# Altium PCB mitosis.PcbDoc (part 3 of 3)
Units mm, origin at the board's own origin, x right, y up, seen from the top; angles counter-clockwise.
Board outline 134.15 x 115.33 mm, 2 copper layers (Top Layer, Bottom Layer), stack 1.671 mm thick; 32 components, 34 nets, 456 pads, 4 vias.
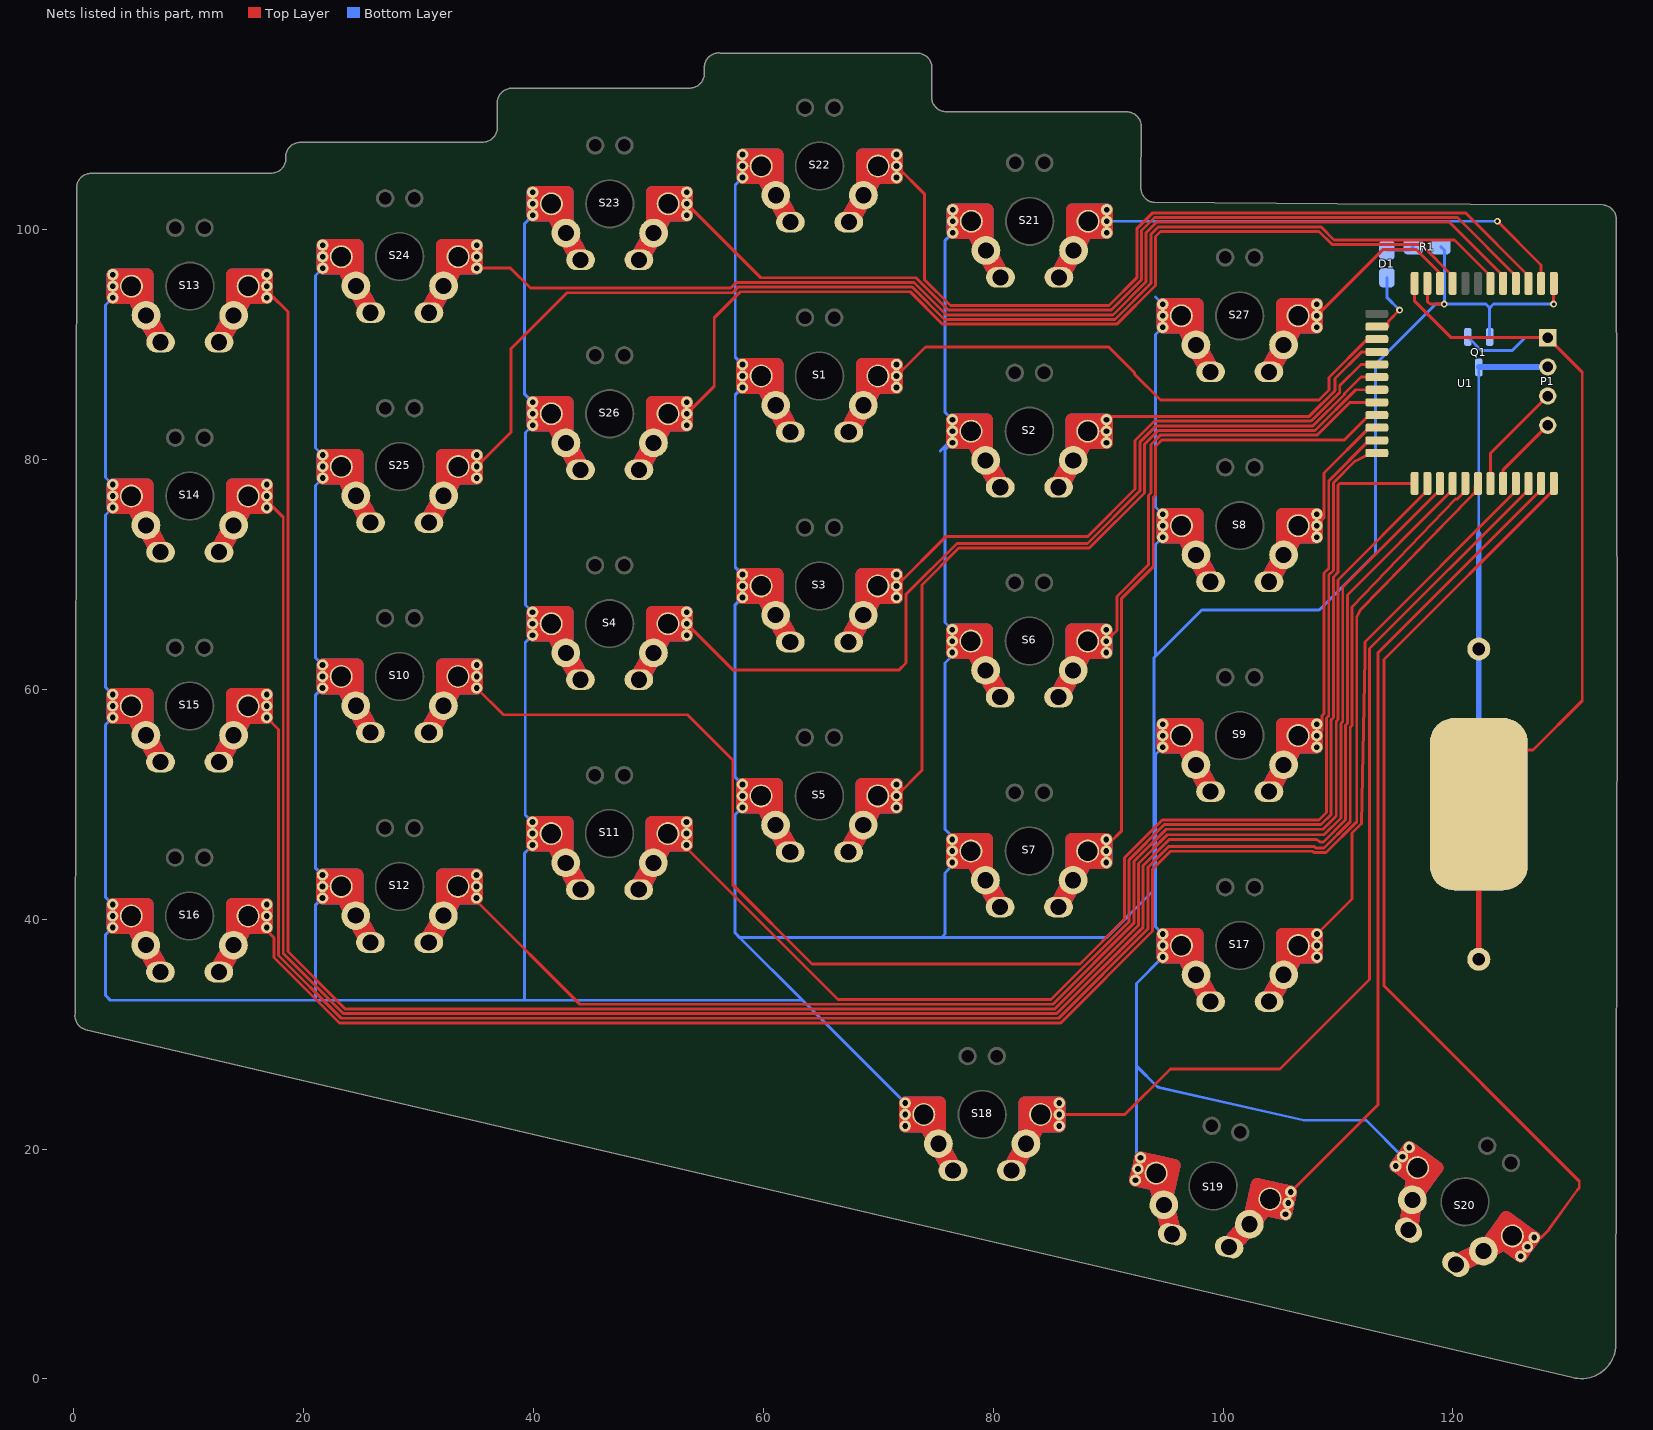
[diagram p3: the nets of this part, all layers, seen from the top]

## Footprints (in the part's own frame and the unit in brackets; to place one, negate y for a bottom-side part, rotate by r counter-clockwise, add the part's x,y. Pads: shape width x height; smd on the part's side, far side on the other; paste and mask are expansions set on the pad) (continued)
cherry#16 [mm]
  round 1.6 hole 1.1: 0(-1.27,5.08) 0(1.27,5.08)
  round 4.3 hole 3.988: 0(0,0)
  round 2.5 hole 1.4: 1(-3.81,-2.54) 2(3.81,-2.54)
  oval 2.5x1.8 hole 1.4: 3(-2.54,-4.877) 4(2.54,-4.877)
  round 2 hole 1.702: 5(-5.08,0) 6(5.08,0)
  round 1 hole 0.5 mask+0.05: 7(-6.7,1) 8(6.7,1) 9(-6.7,0) 10(6.7,0) 11(-6.7,-1) 12(6.7,-1)
  Top Layer lines w1.1: -4.3,-1 -4.58,-1 ; 4.3,-1 4.58,-1 ; -6.7,-1 -5.08,-1 ; -6.7,-1 -5.08,-1 ; -6.7,-1 -5.08,-1 ; -6.7,-1 -5.08,-1 ; -6.7,-1 -5.08,-1 ; -6.7,-1 -5.08,-1 ; -6.7,-1 -5.08,-1 ; -6.7,-1 -5.08,-1 ; -6.7,-1 -6.7,0 ; -6.7,0 -5.08,0 ; -6.7,0 -5.08,0 ; -6.7,0 -5.08,0 ; -6.7,0 -5.08,0 ; -6.7,0 -5.08,0 ; -6.7,0 -5.08,0 ; -6.7,0 -5.08,0 ; -6.7,0 -5.08,0 ; -6.7,0 -6.7,1 ; -6.7,1 -5.08,1 ; -6.7,1 -5.08,1 ; -6.7,1 -5.08,1 ; -6.7,1 -5.08,1 ; -6.7,1 -5.08,1 ; -6.7,1 -5.08,1 ; -6.7,1 -5.08,1 ; -6.7,1 -5.08,1 ; -5.08,-1 -4.58,-1 ; -5.08,-1 -4.58,-1 ; -5.08,-1 -4.58,-1 ; -5.08,-1 -4.58,-1 ; -5.08,-1 -4.58,-1 ; -5.08,-1 -4.58,-1 ; -5.08,-1 -4.58,-1 ; -5.08,-1 -4.58,-1 ; -5.08,1 -3.7,1 ; -5.08,1 -3.7,1 ; -5.08,1 -3.7,1 ; -5.08,1 -3.7,1 ; -5.08,1 -3.7,1 ; -5.08,1 -3.7,1 ; -5.08,1 -3.7,1 ; -5.08,1 -3.7,1 ; -3.7,-1.9 -3.7,0 ; -3.7,-1.9 -3.7,0 ; -3.7,-1.9 -3.7,0 ; -3.7,0 -3.7,1 ; -3.7,0 -3.7,1 ; -3.7,0 -3.7,1 ; -3.7,0 -3.7,0 ; -3.7,0 -3.7,1 ; -3.7,0 -3.7,1 ; -3.7,0 -3.7,1 ; -3.7,0 -3.7,1 ; -3.7,0 -3.7,1 ; -3.7,0 -3.7,0 ; -3.7,0 -3.7,0 ; -3.7,0 -3.7,0 ; -3.7,0 -3.7,0 ; -3.7,0 -3.7,0 ; -3.7,0 -3.7,0 ; -3.7,0 -3.7,0 ; 3.7,-1.9 3.7,0 ; 3.7,-1.9 3.7,0 ; 3.7,-1.9 3.7,0 ; 3.7,-1.9 3.7,0 ; 3.7,-1.9 3.7,0 ; 3.7,-1.9 3.7,0 ; 3.7,-1.9 3.7,0 ; 3.7,-1.9 3.7,0 ; 3.7,0 3.7,1 ; 3.7,0 3.7,1 ; 3.7,0 3.7,1 ; 3.7,0 3.7,1 ; 3.7,0 3.7,1 ; 3.7,0 3.7,1 ; 3.7,0 3.7,1 ; 3.7,0 3.7,1 ; 3.7,1 5.08,1 ; 3.7,1 5.08,1 ; 3.7,1 5.08,1 ; 3.7,1 5.08,1 ; 3.7,1 5.08,1 ; 3.7,1 5.08,1 ; 3.7,1 5.08,1 ; 3.7,1 5.08,1 ; 4.58,-1 5.08,-1 ; 4.58,-1 5.08,-1 ; 4.58,-1 5.08,-1 ; 4.58,-1 5.08,-1 ; 4.58,-1 5.08,-1 ; 4.58,-1 5.08,-1 ; 4.58,-1 5.08,-1 ; 4.58,-1 5.08,-1 ; 5.08,-1 6.7,-1 ; 5.08,-1 6.7,-1 ; 5.08,-1 6.7,-1 ; 5.08,-1 6.7,-1 ; 5.08,-1 6.7,-1 ; 5.08,-1 6.7,-1 ; 5.08,-1 6.7,-1 ; 5.08,-1 6.7,-1 ; 5.08,0 6.7,0 ; 5.08,0 6.7,0 ; 5.08,0 6.7,0 ; 5.08,0 6.7,0 ; 5.08,0 6.7,0 ; 5.08,0 6.7,0 ; 5.08,0 6.7,0 ; 5.08,0 6.7,0 ; 5.08,1 6.7,1 ; 5.08,1 6.7,1 ; 5.08,1 6.7,1 ; 5.08,1 6.7,1 ; 5.08,1 6.7,1 ; 5.08,1 6.7,1 ; 5.08,1 6.7,1 ; 5.08,1 6.7,1 ; 6.7,-1 6.7,0 ; 6.7,0 6.7,1
  Top Layer lines w1.7: -5.08,0 -4.58,-1 -3.81,-2.54 -2.54,-4.877 ; 2.54,-4.877 3.81,-2.54 4.58,-1 5.08,0
  Bottom Layer lines w1.1: -4.3,-1 -4.58,-1 ; 4.3,-1 4.58,-1 ; -6.7,-1 -5.08,-1 ; -6.7,-1 -5.08,-1 ; -6.7,-1 -5.08,-1 ; -6.7,-1 -5.08,-1 ; -6.7,-1 -5.08,-1 ; -6.7,-1 -5.08,-1 ; -6.7,-1 -5.08,-1 ; -6.7,-1 -5.08,-1 ; -6.7,-1 -6.7,0 ; -6.7,-1 -6.7,-1 ; -6.7,0 -5.08,0 ; -6.7,0 -5.08,0 ; -6.7,0 -5.08,0 ; -6.7,0 -5.08,0 ; -6.7,0 -5.08,0 ; -6.7,0 -5.08,0 ; -6.7,0 -5.08,0 ; -6.7,0 -5.08,0 ; -6.7,0 -6.7,1 ; -6.7,1 -5.08,1 ; -6.7,1 -5.08,1 ; -6.7,1 -5.08,1 ; -6.7,1 -5.08,1 ; -6.7,1 -5.08,1 ; -6.7,1 -5.08,1 ; -6.7,1 -5.08,1 ; -6.7,1 -5.08,1 ; -5.08,-1 -4.58,-1 ; -5.08,-1 -4.58,-1 ; -5.08,-1 -4.58,-1 ; -5.08,-1 -4.58,-1 ; -5.08,-1 -4.58,-1 ; -5.08,-1 -4.58,-1 ; -5.08,-1 -4.58,-1 ; -5.08,-1 -4.58,-1 ; -5.08,1 -3.7,1 ; -5.08,1 -3.7,1 ; -5.08,1 -3.7,1 ; -5.08,1 -3.7,1 ; -5.08,1 -3.7,1 ; -5.08,1 -3.7,1 ; -5.08,1 -3.7,1 ; -5.08,1 -3.7,1 ; -3.7,-1.9 -3.7,0 ; -3.7,-1.9 -3.7,0 ; -3.7,-1.9 -3.7,0 ; -3.7,0 -3.7,1 ; -3.7,0 -3.7,1 ; -3.7,0 -3.7,1 ; -3.7,0 -3.7,0 ; -3.7,0 -3.7,1 ; -3.7,0 -3.7,0 ; -3.7,0 -3.7,0 ; -3.7,0 -3.7,1 ; -3.7,0 -3.7,1 ; -3.7,0 -3.7,1 ; -3.7,0 -3.7,0 ; -3.7,0 -3.7,0 ; -3.7,0 -3.7,0 ; -3.7,0 -3.7,0 ; -3.7,0 -3.7,1 ; -3.7,0 -3.7,0 ; 3.7,-1.9 3.7,0 ; 3.7,-1.9 3.7,0 ; 3.7,-1.9 3.7,0 ; 3.7,-1.9 3.7,0 ; 3.7,-1.9 3.7,0 ; 3.7,-1.9 3.7,0 ; 3.7,-1.9 3.7,0 ; 3.7,-1.9 3.7,0 ; 3.7,0 3.7,1 ; 3.7,0 3.7,1 ; 3.7,0 3.7,1 ; 3.7,0 3.7,1 ; 3.7,0 3.7,1 ; 3.7,0 3.7,1 ; 3.7,0 3.7,1 ; 3.7,0 3.7,1 ; 3.7,1 5.08,1 ; 3.7,1 5.08,1 ; 3.7,1 5.08,1 ; 3.7,1 5.08,1 ; 3.7,1 5.08,1 ; 3.7,1 5.08,1 ; 3.7,1 5.08,1 ; 3.7,1 5.08,1 ; 4.58,-1 5.08,-1 ; 4.58,-1 5.08,-1 ; 4.58,-1 5.08,-1 ; 4.58,-1 5.08,-1 ; 4.58,-1 5.08,-1 ; 4.58,-1 5.08,-1 ; 4.58,-1 5.08,-1 ; 4.58,-1 5.08,-1 ; 5.08,-1 6.7,-1 ; 5.08,-1 6.7,-1 ; 5.08,-1 6.7,-1 ; 5.08,-1 6.7,-1 ; 5.08,-1 6.7,-1 ; 5.08,-1 6.7,-1 ; 5.08,-1 6.7,-1 ; 5.08,-1 6.7,-1 ; 5.08,0 6.7,0 ; 5.08,0 6.7,0 ; 5.08,0 6.7,0 ; 5.08,0 6.7,0 ; 5.08,0 6.7,0 ; 5.08,0 6.7,0 ; 5.08,0 6.7,0 ; 5.08,0 6.7,0 ; 5.08,1 6.7,1 ; 5.08,1 6.7,1 ; 5.08,1 6.7,1 ; 5.08,1 6.7,1 ; 5.08,1 6.7,1 ; 5.08,1 6.7,1 ; 5.08,1 6.7,1 ; 5.08,1 6.7,1 ; 6.7,-1 6.7,0 ; 6.7,0 6.7,1
  Bottom Layer lines w1.7: -5.08,0 -4.58,-1 -3.81,-2.54 -2.54,-4.877 ; 2.54,-4.877 3.81,-2.54 4.58,-1 5.08,0
  Keep-Out Layer board cut-out: -7,-2.2 -7,-6.6 -6.97,-6.753 -6.883,-6.883 -6.753,-6.97 -6.6,-7 -6.6,-7 6.6,-7 6.753,-6.97 6.883,-6.883 6.97,-6.753 7,-6.6 7,-6.6 7,-2.2 6.96,-2.026 6.849,-1.887 6.689,-1.81 6.511,-1.81 6.351,-1.887 6.24,-2.026 6.2,-2.2 6.2,-2.2 6.2,-6.2 6.2,-6.2 -6.2,-6.2 -6.2,-6.2 -6.2,-2.2 -6.24,-2.026 -6.351,-1.887 -6.511,-1.81 -6.689,-1.81 -6.849,-1.887 -6.96,-2.026 -7,-2.2
  Keep-Out Layer board cut-out: -7,2.2 -7,6.6 -6.97,6.753 -6.883,6.883 -6.753,6.97 -6.6,7 -6.6,7 6.6,7 6.753,6.97 6.883,6.883 6.97,6.753 7,6.6 7,6.6 7,2.2 6.96,2.026 6.849,1.887 6.689,1.81 6.511,1.81 6.351,1.887 6.24,2.026 6.2,2.2 6.2,2.2 6.2,6.2 6.2,6.2 -6.2,6.2 -6.2,6.2 -6.2,2.2 -6.24,2.026 -6.351,1.887 -6.511,1.81 -6.689,1.81 -6.849,1.887 -6.96,2.026 -7,2.2
  Keep-Out Layer lines w0.1: -7,-6.6 ccw(c-6.6,-6.6) -6.6,-7 6.6,-7 ccw(c6.6,-6.6) 7,-6.6 7,-2.2 ccw(c6.6,-2.2) 6.2,-2.2 6.2,-6.2 -6.2,-6.2 -6.2,-2.2 ccw(c-6.6,-2.2) -7,-2.2 -7,-6.6 ; -7,2.2 ccw(c-6.6,2.2) -6.2,2.2 -6.2,6.2 6.2,6.2 6.2,2.2 ccw(c6.6,2.2) 7,2.2 7,6.6 ccw(c6.6,6.6) 6.6,7 -6.6,7 ccw(c-6.6,6.6) -7,6.6 -7,2.2
  body extent -9,-9 9,9, height 23
cherry#17 [mm]
  round 1.6 hole 1.1: 0(-1.27,5.08) 0(1.27,5.08)
  round 4.3 hole 3.988: 0(0,0)
  round 2.5 hole 1.4: 1(-3.81,-2.54) 2(3.81,-2.54)
  oval 2.5x1.8 hole 1.4: 3(-2.54,-4.877) 4(2.54,-4.877)
  round 2 hole 1.702: 5(-5.08,0) 6(5.08,0)
  round 1 hole 0.5 mask+0.05: 7(-6.7,1) 8(6.7,1) 9(-6.7,0) 10(6.7,0) 11(-6.7,-1) 12(6.7,-1)
  Top Layer lines w1.1: -4.3,-1 -4.58,-1 ; 4.3,-1 4.58,-1 ; -6.7,-1 -5.08,-1 ; -6.7,-1 -5.08,-1 ; -6.7,-1 -5.08,-1 ; -6.7,-1 -5.08,-1 ; -6.7,-1 -5.08,-1 ; -6.7,-1 -5.08,-1 ; -6.7,-1 -5.08,-1 ; -6.7,-1 -5.08,-1 ; -6.7,-1 -6.7,0 ; -6.7,0 -5.08,0 ; -6.7,0 -5.08,0 ; -6.7,0 -5.08,0 ; -6.7,0 -5.08,0 ; -6.7,0 -5.08,0 ; -6.7,0 -5.08,0 ; -6.7,0 -5.08,0 ; -6.7,0 -5.08,0 ; -6.7,0 -6.7,1 ; -6.7,1 -5.08,1 ; -6.7,1 -5.08,1 ; -6.7,1 -5.08,1 ; -6.7,1 -5.08,1 ; -6.7,1 -5.08,1 ; -6.7,1 -5.08,1 ; -6.7,1 -5.08,1 ; -6.7,1 -5.08,1 ; -5.08,-1 -4.58,-1 ; -5.08,-1 -4.58,-1 ; -5.08,-1 -4.58,-1 ; -5.08,-1 -4.58,-1 ; -5.08,-1 -4.58,-1 ; -5.08,-1 -4.58,-1 ; -5.08,-1 -4.58,-1 ; -5.08,-1 -4.58,-1 ; -5.08,1 -3.7,1 ; -5.08,1 -3.7,1 ; -5.08,1 -3.7,1 ; -5.08,1 -3.7,1 ; -5.08,1 -3.7,1 ; -5.08,1 -3.7,1 ; -5.08,1 -3.7,1 ; -5.08,1 -3.7,1 ; -3.7,0 -3.7,1 ; -3.7,0 -3.7,1 ; -3.7,0 -3.7,1 ; -3.7,0 -3.7,1 ; -3.7,0 -3.7,1 ; -3.7,0 -3.7,1 ; -3.7,0 -3.7,1 ; -3.7,0 -3.7,0 ; -3.7,0 -3.7,0 ; -3.7,0 -3.7,0 ; -3.7,0 -3.7,1 ; -3.7,0 -3.7,0 ; -3.7,0 -3.7,0 ; -3.7,0 -3.7,0 ; -3.7,0 -3.7,0 ; -3.7,0 -3.7,0 ; -3.7,0 -3.7,-1.9 -3.7,0 ; 3.7,-1.9 3.7,0 ; 3.7,-1.9 3.7,0 ; 3.7,-1.9 3.7,0 ; 3.7,-1.9 3.7,0 ; 3.7,-1.9 3.7,0 ; 3.7,-1.9 3.7,0 ; 3.7,-1.9 3.7,0 ; 3.7,-1.9 3.7,0 ; 3.7,0 3.7,1 ; 3.7,0 3.7,1 ; 3.7,0 3.7,1 ; 3.7,0 3.7,1 ; 3.7,0 3.7,1 ; 3.7,0 3.7,1 ; 3.7,0 3.7,1 ; 3.7,0 3.7,1 ; 3.7,1 5.08,1 ; 3.7,1 5.08,1 ; 3.7,1 5.08,1 ; 3.7,1 5.08,1 ; 3.7,1 5.08,1 ; 3.7,1 5.08,1 ; 3.7,1 5.08,1 ; 3.7,1 5.08,1 ; 4.58,-1 5.08,-1 ; 4.58,-1 5.08,-1 ; 4.58,-1 5.08,-1 ; 4.58,-1 5.08,-1 ; 4.58,-1 5.08,-1 ; 4.58,-1 5.08,-1 ; 4.58,-1 5.08,-1 ; 4.58,-1 5.08,-1 ; 5.08,-1 6.7,-1 ; 5.08,-1 6.7,-1 ; 5.08,-1 6.7,-1 ; 5.08,-1 6.7,-1 ; 5.08,-1 6.7,-1 ; 5.08,-1 6.7,-1 ; 5.08,-1 6.7,-1 ; 5.08,-1 6.7,-1 ; 5.08,0 6.7,0 ; 5.08,0 6.7,0 ; 5.08,0 6.7,0 ; 5.08,0 6.7,0 ; 5.08,0 6.7,0 ; 5.08,0 6.7,0 ; 5.08,0 6.7,0 ; 5.08,0 6.7,0 ; 5.08,1 6.7,1 ; 5.08,1 6.7,1 ; 5.08,1 6.7,1 ; 5.08,1 6.7,1 ; 5.08,1 6.7,1 ; 5.08,1 6.7,1 ; 5.08,1 6.7,1 ; 5.08,1 6.7,1 ; 6.7,-1 6.7,0 ; 6.7,0 6.7,1
  Top Layer lines w1.7: -5.08,0 -4.58,-1 -3.81,-2.54 -2.54,-4.877 ; 2.54,-4.877 3.81,-2.54 4.58,-1 5.08,0
  Bottom Layer lines w0.254: -7.329,1.629 -6.7,1
  Bottom Layer lines w1.1: -6.7,1 -6.7,0 ; -4.3,-1 -4.58,-1 ; 4.3,-1 4.58,-1 ; -6.7,-1 -5.08,-1 ; -6.7,-1 -5.08,-1 ; -6.7,-1 -5.08,-1 ; -6.7,-1 -5.08,-1 ; -6.7,-1 -5.08,-1 ; -6.7,-1 -5.08,-1 ; -6.7,-1 -5.08,-1 ; -6.7,-1 -5.08,-1 ; -6.7,-1 -6.7,0 ; -6.7,0 -5.08,0 ; -6.7,0 -5.08,0 ; -6.7,0 -5.08,0 ; -6.7,0 -5.08,0 ; -6.7,0 -5.08,0 ; -6.7,0 -5.08,0 ; -6.7,0 -5.08,0 ; -6.7,0 -5.08,0 ; -5.08,-1 -4.58,-1 ; -5.08,-1 -4.58,-1 ; -5.08,-1 -4.58,-1 ; -5.08,-1 -4.58,-1 ; -5.08,-1 -4.58,-1 ; -5.08,-1 -4.58,-1 ; -5.08,-1 -4.58,-1 ; -5.08,-1 -4.58,-1 ; -5.08,1 -3.7,1 ; -5.08,1 -3.7,1 ; -5.08,1 -3.7,1 ; -5.08,1 -3.7,1 ; -5.08,1 -3.7,1 ; -5.08,1 -3.7,1 ; -5.08,1 -3.7,1 ; -5.08,1 -3.7,1 ; -3.7,0 -3.7,1 ; -3.7,0 -3.7,1 ; -3.7,0 -3.7,1 ; -3.7,0 -3.7,1 ; -3.7,0 -3.7,1 ; -3.7,0 -3.7,1 ; -3.7,0 -3.7,1 ; -3.7,0 -3.7,0 ; -3.7,0 -3.7,0 ; -3.7,0 -3.7,0 ; -3.7,0 -3.7,0 ; -3.7,0 -3.7,1 ; -3.7,0 -3.7,0 ; -3.7,0 -3.7,0 ; -3.7,0 -3.7,0 ; -3.7,0 -3.7,0 ; -3.7,0 -3.7,-1.9 -3.7,0 ; 3.7,-1.9 3.7,0 ; 3.7,-1.9 3.7,0 ; 3.7,-1.9 3.7,0 ; 3.7,-1.9 3.7,0 ; 3.7,-1.9 3.7,0 ; 3.7,-1.9 3.7,0 ; 3.7,-1.9 3.7,0 ; 3.7,-1.9 3.7,0 ; 3.7,0 3.7,1 ; 3.7,0 3.7,1 ; 3.7,0 3.7,1 ; 3.7,0 3.7,1 ; 3.7,0 3.7,1 ; 3.7,0 3.7,1 ; 3.7,0 3.7,1 ; 3.7,0 3.7,1 ; 3.7,1 5.08,1 ; 3.7,1 5.08,1 ; 3.7,1 5.08,1 ; 3.7,1 5.08,1 ; 3.7,1 5.08,1 ; 3.7,1 5.08,1 ; 3.7,1 5.08,1 ; 3.7,1 5.08,1 ; 4.58,-1 5.08,-1 ; 4.58,-1 5.08,-1 ; 4.58,-1 5.08,-1 ; 4.58,-1 5.08,-1 ; 4.58,-1 5.08,-1 ; 4.58,-1 5.08,-1 ; 4.58,-1 5.08,-1 ; 4.58,-1 5.08,-1 ; 5.08,-1 6.7,-1 ; 5.08,-1 6.7,-1 ; 5.08,-1 6.7,-1 ; 5.08,-1 6.7,-1 ; 5.08,-1 6.7,-1 ; 5.08,-1 6.7,-1 ; 5.08,-1 6.7,-1 ; 5.08,-1 6.7,-1 ; 5.08,0 6.7,0 ; 5.08,0 6.7,0 ; 5.08,0 6.7,0 ; 5.08,0 6.7,0 ; 5.08,0 6.7,0 ; 5.08,0 6.7,0 ; 5.08,0 6.7,0 ; 5.08,0 6.7,0 ; 5.08,1 6.7,1 ; 5.08,1 6.7,1 ; 5.08,1 6.7,1 ; 5.08,1 6.7,1 ; 5.08,1 6.7,1 ; 5.08,1 6.7,1 ; 5.08,1 6.7,1 ; 5.08,1 6.7,1 ; 6.7,-1 6.7,0 ; 6.7,0 6.7,1
  Bottom Layer lines w1.7: -5.08,0 -4.58,-1 -3.81,-2.54 -2.54,-4.877 ; 2.54,-4.877 3.81,-2.54 4.58,-1 5.08,0
  Keep-Out Layer board cut-out: -7,-2.2 -7,-6.6 -6.97,-6.753 -6.883,-6.883 -6.753,-6.97 -6.6,-7 -6.6,-7 6.6,-7 6.753,-6.97 6.883,-6.883 6.97,-6.753 7,-6.6 7,-6.6 7,-2.2 6.96,-2.026 6.849,-1.887 6.689,-1.81 6.511,-1.81 6.351,-1.887 6.24,-2.026 6.2,-2.2 6.2,-2.2 6.2,-6.2 6.2,-6.2 -6.2,-6.2 -6.2,-6.2 -6.2,-2.2 -6.24,-2.026 -6.351,-1.887 -6.511,-1.81 -6.689,-1.81 -6.849,-1.887 -6.96,-2.026 -7,-2.2
  Keep-Out Layer board cut-out: -7,2.2 -7,6.6 -6.97,6.753 -6.883,6.883 -6.753,6.97 -6.6,7 -6.6,7 6.6,7 6.753,6.97 6.883,6.883 6.97,6.753 7,6.6 7,6.6 7,2.2 6.96,2.026 6.849,1.887 6.689,1.81 6.511,1.81 6.351,1.887 6.24,2.026 6.2,2.2 6.2,2.2 6.2,6.2 6.2,6.2 -6.2,6.2 -6.2,6.2 -6.2,2.2 -6.24,2.026 -6.351,1.887 -6.511,1.81 -6.689,1.81 -6.849,1.887 -6.96,2.026 -7,2.2
  Keep-Out Layer lines w0.1: -7,-6.6 ccw(c-6.6,-6.6) -6.6,-7 6.6,-7 ccw(c6.6,-6.6) 7,-6.6 7,-2.2 ccw(c6.6,-2.2) 6.2,-2.2 6.2,-6.2 -6.2,-6.2 -6.2,-2.2 ccw(c-6.6,-2.2) -7,-2.2 -7,-6.6 ; -7,2.2 ccw(c-6.6,2.2) -6.2,2.2 -6.2,6.2 6.2,6.2 6.2,2.2 ccw(c6.6,2.2) 7,2.2 7,6.6 ccw(c6.6,6.6) 6.6,7 -6.6,7 ccw(c-6.6,6.6) -7,6.6 -7,2.2
  body extent -9,-9 9,9, height 23
"Core51822 (B)" [mm]
  rrect50% 2x0.7 smd: 1(-8.7,-5.6) 2(-8.7,-6.7) 3(-8.7,-7.8) 4(-8.7,-8.9) 5(-8.7,-10) 6(-8.7,-11.1) 7(-8.7,-12.2) 8(-8.7,-13.3) 9(-8.7,-14.4) 10(-8.7,-15.5) 11(-8.7,-16.6) 12(-8.7,-17.7) 25(8.7,-17.7) 26(8.7,-16.6) 27(8.7,-15.5) 28(8.7,-14.4) 29(8.7,-13.3) 30(8.7,-12.2) 31(8.7,-11.1) 32(8.7,-10) 33(8.7,-8.9) 34(8.7,-7.8) 35(8.7,-6.7) 36(8.7,-5.6)
  rrect50% 0.7x2 smd: 13(-6.05,-21) 14(-4.95,-21) 15(-3.85,-21) 16(-2.75,-21) 17(-1.65,-21) 18(-0.55,-21) 19(0.55,-21) 20(1.65,-21) 21(2.75,-21) 22(3.85,-21) 23(4.95,-21) 24(6.05,-21)
  body extent -8.5,-20.8 8.5,0, height 1.8
HDR1X4 [mm] "Connector; Header; 4 Position"
  rect 1.5x1.5 hole 0.9: 1(0,0)
  round 1.5 hole 0.9: 2(2.54,0) 3(5.08,0) 4(7.62,0)
  silkscreen extent -1.27,-1.27 8.89,1.27
RESC2012X06N [mm] "Chip Resistor, 2-Leads, Body 2.00x1.25mm, IPC Medium Density"
  rrect50% 1.7x1.35 smd: 1(-1.2,0) 2(1.2,0)
  body extent -1.05,-0.7 1.05,0.7, height 0.55
SOT-23 [mm] "SOT23, 3-Leads, Body 2.92x3.10mm, Pitch 0.95mm, IPC Medium Density"
  rrect50% 1.55x0.65 smd: 1(-1.325,0.95) 2(-1.325,-0.95) 3(1.325,0)
  body extent -0.7,-1.52 0.7,1.52, height 1.12

## Part data
P1: "Header, 4-Pin", LatestRevisionDate=17-Jul-2002, LatestRevisionNote="Re-released for DXP Platform.", Publisher="Altium Limited"
Q1: "N-Channel Logic MOSFET", ComponentLink1Description="Manufacturer Link", ComponentLink1URL=http://www.irf.com/, DatasheetVersion=PD-9.814, LatestRevisionDate=17-Jul-2002, LatestRevisionNote="Re-released for DXP Platform.", Note="Pin 2 is electrically connected to pin 4.", PackageDescription="TO, Thru-Hole, Vertical, Heatsink Mounted; 3 In-Line Leads; Pitch 2.54 mm", PackageReference=TO-220AB, PackageVersion=Feb-1997, Published=8-Jun-2000, Publisher="Altium Limited"
S1 S2 S3 S4 S5 S6 S7 S8 S9 S10 S11 S12 S13 S14 S15 S16 S17 S18 S19 S20 S21 S22 S23 S24 S25 S26 S27: "Switch", LatestRevisionDate=17-Jul-2002, LatestRevisionNote="Re-released for DXP Platform.", PackageDescription="Switch; 2 Leads", PackageReference=SPST-2, Published=24-Mar-1999, Publisher="Altium Limited"
U1: "NRF51822 (B)"

## Free pads (board coordinates)
  round 2 hole 1.1: 0(122.25,36.5) 3(122.25,63.5)
  rrect50% 8.5x15 smd: 2(122.25,50)
  rrect50% 8.5x15 smd far side: 2(122.25,50)

## Via types
v1: diameter 0.6, hole 0.3, Top Layer to Bottom Layer, 4 vias

## Nets (pads, with @x,y where several pads share a name; then routed paths per layer and width w, separated by ;. In a path a pad name is that pad's centre, name@x,y a point inside that pad or via, vN(x,y) a via of type N, cw(c..) or ccw(c..) an arc to the next point about the centre after c; other vN are vias at no path point)
GND: Q1.2 R1.1 S1.1 S1.3 S1.5 S1.7 S1.9 S1.11 S2.1 S2.3 S2.5 S2.7 S2.9 S2.11 S3.1 S3.3 S3.5 S3.7 S3.9 S3.11 S4.1 S4.3 S4.5 S4.7 S4.9 S4.11 S5.1 S5.3 S5.5 S5.7 S5.9 S5.11 S6.1 S6.3 S6.5 S6.7 S6.9 S6.11 S7.1 S7.3 S7.5 S7.7 S7.9 S7.11 S8.1 S8.3 S8.5 S8.7 S8.9 S8.11 S9.1 S9.3 S9.5 S9.7 S9.9 S9.11 S10.1 S10.3 S10.5 S10.7 S10.9 S10.11 S11.1 S11.3 S11.5 S11.7 S11.9 S11.11 S12.1 S12.3 S12.5 S12.7 S12.9 S12.11 S13.1 S13.3 S13.5 S13.7 S13.9 S13.11 S14.1 S14.3 S14.5 S14.7 S14.9 S14.11 S15.1 S15.3 S15.5 S15.7 S15.9 S15.11 S16.1 S16.3 S16.5 S16.7 S16.9 S16.11 S17.1 S17.3 S17.5 S17.7 S17.9 S17.11 S18.1 S18.3 S18.5 S18.7 S18.9 S18.11 S19.1 S19.3 S19.5 S19.7 S19.9 S19.11 S20.1 S20.3 S20.5 S20.7 S20.9 S20.11 S21.1 S21.3 S21.5 S21.7 S21.9 S21.11 S22.1 S22.3 S22.5 S22.7 S22.9 S22.11 S23.1 S23.3 S23.5 S23.7 S23.9 S23.11 S24.1 S24.3 S24.5 S24.7 S24.9 S24.11 S25.1 S25.3 S25.5 S25.7 S25.9 S25.11 S26.1 S26.3 S26.5 S26.7 S26.9 S26.11 S27.1 S27.3 S27.5 S27.7 S27.9 S27.11 U1.1 U1.11 | length 597.5
  Top Layer w0.254: U1.11@117.775,95.3 117.775,93.739 118.014,93.5 v1(119.25,93.5) ; v1@128.763,93.513 128.763,95.287 U1.1@128.775,95.3
  Bottom Layer w0.254: S16.11@3.403,39.272 2.774,38.643 2.774,33.37 3.201,32.943 21.067,32.943 ; S16.7@3.403,41.272 2.774,41.902 2.774,56.9 S15.11@3.409,57.535 ; S15.7@3.409,59.535 2.779,60.165 2.779,75.163 S14.11@3.414,75.798 ; S14.7@3.414,77.798 2.785,78.428 2.785,93.426 S13.11@3.42,94.061 ; S12.11@21.666,41.84 21.037,41.211 21.037,35.938 21.067,35.907 21.067,32.943 ; S12.7@21.666,43.84 21.037,44.469 21.037,59.469 S10.11@21.67,60.103 ; S10.7@21.67,62.103 21.041,62.732 21.041,77.726 S25.11@21.68,78.366 ; S25.7@21.68,80.366 21.051,80.995 21.051,95.999 S24.11@21.68,96.629 ; S11.11@39.93,46.437 39.25,45.757 39.25,33.152 39.25,32.943 ; S11.7@39.93,48.437 39.301,49.067 39.301,64.061 S4.11@39.94,64.7 ; S4.7@39.94,66.7 39.31,67.33 39.31,82.328 S26.11@39.945,82.963 ; S26.7@39.945,84.963 39.25,85.658 39.25,100.525 S23.11@39.951,101.226 ; 57.56,38.79 57.966,38.384 69.912,38.384 ; 57.56,38.816 57.56,49.09 S5.11@58.189,49.719 ; 57.984,38.366 63.407,32.943 ; S5.7@58.189,51.719 57.56,52.349 57.56,67.347 S3.11@58.195,67.982 ; S3.7@58.195,69.982 57.565,70.612 57.565,85.61 S1.11@58.2,86.245 ; S1.7@58.2,88.245 57.571,88.875 57.571,103.873 S22.11@58.206,104.508 ; 69.937,38.384 75.499,38.384 ; S18.7@72.35,24 63.407,32.943 ; S2.11@75.986,81.303 76.129,81.446 S2.11@76.459,81.446 75.824,80.811 75.824,65.812 S6.7@76.453,65.183 ; S7.11@76.448,44.92 76.448,44.718 76.213,44.483 76.213,44.416 75.818,44.022 75.818,38.703 75.499,38.384 ; S7.7@76.448,46.92 76.448,47.122 76.213,47.356 76.213,47.423 75.818,47.818 75.818,62.279 76.219,62.679 76.219,62.746 76.448,62.975 S6.11@76.448,63.177 ; S2.7@76.459,83.446 75.829,84.075 75.829,99.053 S21.11@76.485,99.708 ; 92.457,27.225 92.457,19.603 S19.7@92.823,19.237 ; 92.457,34.387 92.457,27.25 94.302,25.405 94.376,25.405 94.415,25.366 107.03,22.5 112.442,22.5 112.517,22.426 S20.9@115.614,19.328 ; 92.475,34.405 S17.11@94.766,36.696 ; S27.11@94.755,91.487 94.126,90.857 94.126,75.86 S8.7@94.762,75.224 ; S9.11@94.756,54.961 94.127,54.331 94.127,39.336 S17.7@94.766,38.696 ; S8.11@94.762,73.224 94.127,72.589 94.127,62.863 ; R1.1@118.95,98.5 119.25,98.2 v1(119.25,93.5) ; Q1.2@123.2,90.65 123.2,93.16 ; v1@128.763,93.513 v1(128.756,93.506) 128.75,93.5 123.54,93.5 123.2,93.16 ; 21.067,32.943 38.933,32.943 39.25,32.943 ; 39.25,32.943 63.407,32.943 ; 75.499,38.384 89.843,38.384 94.001,42.541 94.001,62.737 94.127,62.863 ; 94.127,62.863 98.158,66.894 108.364,66.894 113.274,71.804 113.274,88.274 118.5,93.5 v1(119.25,93.5) ; v1(119.25,93.5) 122.86,93.5 123.2,93.16
GND_P: P1.2 pad.2@122.25,50 pad.3 Q1.3 | length 44
  Bottom Layer w0.254: 122.25,73.5 Q1.3@122.25,88
  Bottom Layer w0.5: pad.2@122.25,50 pad.3@122.25,63.5 122.25,73.5 ; Q1.3@122.25,88 122.27,88.02 128.23,88.02 P1.2@128.25,88.04
L1: D1.1 R1.2 | length 2.4
  Bottom Layer w0.254: D1.1@114.25,98.2 116.25,98.2 R1.2@116.55,98.5
LED: D1.2 U1.14 | length 6.1
  Top Layer w0.254: U1.14@113.375,91.55 114.375,91.55 114.375,91.993 v1(115.366,92.984)
  Bottom Layer w0.254: D1.2@114.25,95.8 114.25,94.1 v1(115.366,92.984)
S1: S1.2 S1.4 S1.6 S1.8 S1.10 S1.12 U1.15 | length 47.6
  Top Layer w0.254: S1.10@71.6,87.245 74.13,89.775 90.061,89.775 92.307,87.529 92.307,87.403 94.553,85.157 108.357,85.157 109.23,86.03 109.23,87.124 112.556,90.45 U1.15@113.375,90.45
S2: S2.2 S2.4 S2.6 S2.8 S2.10 S2.12 U1.16 | length 29.8
  Top Layer w0.254: 87.459,81.446 88.019,82.005 88.349,82.336 88.459,82.446 89.459,83.446 89.659,83.646 89.75,83.737 89.859,83.737 107.511,83.737 109.748,85.973 109.748,87.034 112.063,89.35 U1.16@113.375,89.35
S3: S3.2 S3.4 S3.6 S3.8 S3.10 S3.12 U1.17 | length 52.6
  Top Layer w0.254: S3.10@71.595,68.982 75.88,73.268 88.213,73.268 92.355,77.41 92.355,81.648 94.027,83.32 107.669,83.32 110.154,85.805 110.154,86.409 111.994,88.25 U1.17@113.375,88.25
S4: S4.2 S4.4 S4.6 S4.8 S4.10 S4.12 U1.18 | length 78.3
  Top Layer w0.254: S4.10@53.34,65.7 57.387,61.653 71.797,61.653 72.424,62.28 72.424,68.26 76.848,72.684 88.203,72.684 92.762,77.242 92.762,81.48 94.196,82.913 107.838,82.913 110.561,85.636 110.561,85.716 111.994,87.15 U1.18@113.375,87.15
S5: S5.2 S5.4 S5.6 S5.8 S5.10 S5.12 U1.19 | length 68.4
  Top Layer w0.254: S5.10@71.589,50.719 73.815,52.945 73.815,69.076 77.016,72.277 88.372,72.277 93.168,77.074 93.168,81.311 94.364,82.507 108.006,82.507 111.549,86.05 U1.19@113.375,86.05
S6: S6.2 S6.4 S6.6 S6.8 S6.10 S6.12 U1.20 | length 39.9
  Top Layer w0.254: S6.10@89.853,64.183 90.776,65.105 90.776,68.077 93.526,70.828 93.526,76.857 93.726,77.057 93.726,81.294 94.532,82.101 108.174,82.101 111.023,84.95 U1.20@113.375,84.95
S7: S7.2 S7.4 S7.6 S7.8 S7.10 S7.12 U1.21 | length 57.5
  Top Layer w0.254: S7.10@89.422,45.92 89.635,46.132 S7.10@89.848,45.92 ; S7.10@89.848,46.345 90.135,46.632 91.182,47.68 91.182,67.909 93.932,70.659 93.932,76.689 94.132,76.889 94.132,81.126 94.701,81.694 110.57,81.694 112.725,83.85 U1.21@113.375,83.85
S8: S8.2 S8.4 S8.6 S8.8 S8.10 S8.12 U1.22 | length 11.1
  Top Layer w0.254: S8.10@108.162,74.224 108.162,74.257 108.791,74.886 108.791,78.815 112.725,82.75 U1.22@113.375,82.75
S9: S9.2 S9.4 S9.6 S9.8 S9.10 S9.12 U1.23 | length 28.9
  Top Layer w0.254: S9.10@108.156,55.961 108.598,56.403 108.598,56.605 ; S9.10@108.156,56.163 108.555,56.562 108.598,56.605 ; U1.23@113.375,81.65 112.725,81.65 109.198,78.122 109.198,70.503 108.791,70.097 108.791,57.864 108.598,57.672 108.598,56.961 108.598,56.605
S10: S10.2 S10.4 S10.6 S10.8 S10.10 S10.12 U1.24 | length 133.5
  Top Layer w0.254: S10.12@35.07,60.103 37.395,57.778 53.415,57.778 57.352,53.841 57.352,42.995 64.243,36.104 87.563,36.104 91.414,39.954 91.414,45.324 94.721,48.631 108.358,48.631 109.005,49.278 109.005,57.503 109.198,57.696 109.198,69.929 109.604,70.335 109.604,77.953 111.492,79.842 112.55,80.375 U1.24@113.375,80.55 ; S10.10@35.07,61.103 S10.8@35.07,62.103
S11: S11.2 S11.4 S11.6 S11.8 S11.10 S11.12 U1.25 | length 107.7
  Top Layer w0.254: S11.12@52.904,46.437 52.904,46.116 52.956,46.064 53.053,45.967 53.33,45.967 53.532,45.967 66.499,33 85.034,33 91.836,39.802 91.836,45.172 94.889,48.225 108.527,48.225 109.411,49.11 109.411,57.335 109.604,57.528 109.604,69.76 110.01,70.167 110.01,77.751 110.159,77.9 U1.25@116.675,77.9
S12: S12.2 S12.4 S12.6 S12.8 S12.10 S12.12 U1.26 | length 121.2
  Top Layer w0.254: S12.12@34.666,41.84 34.866,41.64 35.137,41.369 35.268,41.369 44.044,32.594 85.203,32.594 92.242,39.633 92.242,45.003 95.058,47.819 108.695,47.819 109.852,48.976 109.852,57.201 110.01,57.359 110.01,69.511 117.775,77.276 U1.26@117.775,77.9
S13: S13.2 S13.4 S13.6 S13.8 S13.10 S13.12 U1.27 | length 194.2
  Top Layer w0.254: S13.12@17.12,94.361 18.652,92.829 18.652,37.173 23.638,32.187 85.371,32.187 92.649,39.465 92.649,44.835 95.154,47.34 108.791,47.34 110.259,48.808 110.259,57.033 110.417,57.191 110.417,68.898 118.875,77.357 U1.27@118.875,77.9
S14: S14.2 S14.4 S14.6 S14.8 S14.10 S14.12 U1.28 | length 177.6
  Top Layer w0.254: S14.12@17.114,76.098 18.245,74.967 18.245,37.005 23.469,31.781 85.539,31.781 93.055,39.297 93.055,44.667 95.322,46.934 108.098,46.934 108.453,46.708 108.52,46.705 108.73,46.705 110.665,48.639 110.665,56.865 110.823,57.023 110.823,68.205 119.975,77.357 U1.28@119.975,77.9
S15: S15.2 S15.4 S15.6 S15.8 S15.10 S15.12 U1.29 | length 161
  Top Layer w0.254: S15.10@16.809,58.535 S15.12@16.809,57.535 17.839,56.505 17.839,36.837 23.301,31.374 85.708,31.374 93.462,39.128 93.462,44.498 95.275,46.312 107.952,46.312 108.071,46.193 108.794,46.193 111.072,48.471 111.072,56.696 111.23,56.854 111.23,67.141 120.223,76.551 120.377,76.551 121.075,77.25 U1.29@121.075,77.443
S16: S16.2 S16.4 S16.6 S16.8 S16.10 S16.12 U1.30 | length 144.3
  Top Layer w0.254: S16.10@16.803,40.272 S16.12@16.803,39.272 16.803,39.004 17.432,38.374 17.432,36.668 23.133,30.968 85.876,30.968 93.868,38.96 93.868,44.33 95.444,45.906 107.783,45.906 107.903,45.787 108.962,45.787 111.636,48.461 111.636,66.255 111.937,66.895 121.441,76.622 121.907,77.089 U1.30@121.907,77.672
S17: S17.2 S17.4 S17.6 S17.8 S17.10 S17.12 U1.33 | length 46.3
  Top Layer w0.254: S17.8@108.166,38.696 111.23,41.76 111.23,47.48 111.968,48.218 112.042,48.292 112.344,62.716 112.344,64.118 125.475,77.25 U1.33@125.475,77.9
S18: S18.2 S18.4 S18.6 S18.8 S18.10 S18.12 U1.34 | length 80.7
  Top Layer w0.254: S18.10@85.75,23 91.454,23 95.422,26.969 104.969,26.969 112.75,34.749 112.75,63.532 126.575,77.357 U1.34@126.575,77.9
S19: S19.2 S19.4 S19.6 S19.8 S19.10 S19.12 U1.35 | length 71.3
  Top Layer w0.254: S19.10@105.668,15.293 105.803,15.428 S19.8@105.803,15.887 ; S19.8@105.89,16.268 105.894,16.265 113.5,23.871 113.5,63.182 127.675,77.357 U1.35@127.675,77.9
S20: S20.2 S20.4 S20.6 S20.8 S20.10 S20.12 U1.36 | length 80.5
  Top Layer w0.254: S20.8@127.067,12.301 127.688,12.301 128.342,12.955 128.342,12.992 130.838,16.453 130.991,16.606 130.991,17.203 114,34.195 114,62.582 128.775,77.357 U1.36@128.775,77.9
S21: S21.2 S21.4 S21.6 S21.8 S21.10 S21.12 U1.2 | length 41
  Top Layer w0.254: v1(123.87,100.708) 127.675,96.903 U1.2@127.675,95.3
  Bottom Layer w0.254: S21.10@89.885,100.708 v1(123.87,100.708)
S22: S22.2 S22.4 S22.6 S22.8 S22.10 S22.12 U1.3 | length 73.1
  Top Layer w0.254: S22.10@71.606,105.508 74.016,103.098 74.016,95.646 76.283,93.379 90.087,93.379 92.5,95.792 92.5,100.062 93.88,101.442 121.083,101.442 126.575,95.95 U1.3@126.575,95.3
S23: S23.2 S23.4 S23.6 S23.8 S23.10 S23.12 U1.4 | length 84.6
  Top Layer w0.254: S23.10@53.351,102.226 59.783,95.794 73.293,95.794 76.114,92.973 90.255,92.973 92.907,95.624 92.907,99.894 94.048,101.035 120.39,101.035 125.475,95.95 U1.4@125.475,95.3
S24: S24.2 S24.4 S24.6 S24.8 S24.10 S24.12 U1.5 | length 100.6
  Top Layer w0.254: 34.252,96.629 S24.12@35.08,96.629 38.017,96.629 39.749,94.897 57.171,94.897 57.662,95.387 73.125,95.387 75.946,92.566 90.424,92.566 93.313,95.456 93.313,99.726 94.216,100.629 119.696,100.629 124.375,95.95 U1.5@124.375,95.3
S25: S25.2 S25.4 S25.6 S25.8 S25.10 S25.12 U1.6 | length 108.3
  Top Layer w0.254: S25.10@35.08,79.366 38.044,82.33 38.044,89.593 42.941,94.49 57.339,94.49 57.83,94.981 72.957,94.981 75.778,92.16 90.592,92.16 93.719,95.287 93.719,99.557 94.385,100.223 108.526,100.223 109.665,99.083 120.142,99.083 123.275,95.95 U1.6@123.275,95.3
S26: S26.2 S26.4 S26.6 S26.8 S26.10 S26.12 U1.9 | length 83.8
  Top Layer w0.254: S26.10@53.345,83.963 55.743,86.361 55.743,92.32 57.998,94.575 72.788,94.575 75.609,91.753 90.76,91.753 94.126,95.119 94.126,99.389 94.553,99.816 108.357,99.816 109.497,98.676 117.249,98.676 119.975,95.95 U1.9@119.975,95.3
S27: S27.2 S27.4 S27.6 S27.8 S27.10 S27.12 U1.10 | length 14.9
  Top Layer w0.254: S27.10@108.155,92.487 113.938,98.27 116.799,98.27 118.875,96.194 U1.10@118.875,95.3
SWCLK: P1.4 U1.32 | length 6.7
  Top Layer w0.254: U1.32@124.375,77.9 124.375,79.085 P1.4@128.25,82.96
SWDIO: P1.3 U1.31 | length 9.7
  Top Layer w0.254: U1.31@123.275,77.9 123.275,80.525 P1.3@128.25,85.5
VCC: P1.1 pad.0 pad.2@122.25,50 Q1.1 U1.12 | length 81.9
  Top Layer w0.254: U1.12@116.675,95.3 116.675,93.755 119.851,90.58 P1.1@128.25,90.58 131.25,87.58 131.25,59 126.957,54.707 126.107,54.707 122.25,50.85 pad.2@122.25,50
  Top Layer w0.5: pad.0@122.25,36.5 pad.2@122.25,50
  Bottom Layer w0.254: Q1.1@121.3,90.65 122.473,89.477 125.17,89.477 126.273,90.58 P1.1@128.25,90.58
pads on no net: S1.0 S2.0 S3.0 S4.0 S5.0 S6.0 S7.0 S8.0 S9.0 S10.0 S11.0 S12.0 S13.0 S14.0 S15.0 S16.0 S17.0 S18.0 S19.0 S20.0 S21.0 S22.0 S23.0 S24.0 S25.0 S26.0 S27.0 U1.7 U1.8 U1.13

## Silkscreen, mask and mechanical layers (free items; w line width, h text height)
Top Overlay:
  text "S" at 132.75,50.134 h4 r90
  text "TOSI" at 132.75,35.534 h4 r90
  text "MI" at 132.75,28.834 h4 r90
Bottom Overlay:
  text "MI" at 133.053,52.784 h4 r90
  text "TOSI" at 133.053,46.184 h4 r90
  text "S" at 133.053,31.484 h4 r90
Top Solder:
  lines w0.25: 101.129,7.918 102.124,7.817 ; 101.576,7.37 101.677,8.365
Bottom Solder:
  lines w0.25: 101.129,7.918 102.124,7.817
Mechanical 1:
  circle w0.254: c122.25,50 r11.6
  circle w0.1: c122.768,38.634 r10
  lines w0.254: 0.133,31.726 ccw(c1.396,31.598) 1.051,30.376 130.347,0.137 ccw(c131.168,3.039) 134.168,2.734 134.277,61.828 134.203,100.742 ccw(c132.94,100.871) 133.068,102.134 109.956,102.223 93.994,102.349 cw(c94.122,103.612) 92.859,103.741 92.877,108.828 ccw(c91.614,108.956) 91.742,110.22 75.794,110.249 cw(c75.922,111.512) 74.659,111.641 74.677,113.928 ccw(c73.414,114.056) 73.542,115.32 56.274,115.343 ccw(c56.146,114.08) 54.883,114.208 54.868,113.434 cw(c53.605,113.563) 53.476,112.299 38.26,112.269 ccw(c38.132,111.006) 36.868,111.134 36.868,108.734 cw(c35.605,108.863) 35.476,107.599 19.86,107.569 ccw(c19.732,106.306) 18.468,106.434 18.468,106.034 cw(c17.205,106.163) 17.076,104.899 1.66,104.869 ccw(c1.532,103.606) 0.268,103.734 0.133,31.726

## Text inside footprints (layer, text, board x,y; h text height)
S1: Keep-Out Layer "CUTOUT" at 63.2,93.545 h0.6; Keep-Out Layer "CUTOUT" at 63.2,80.345 h0.6
S2: Keep-Out Layer "CUTOUT" at 81.459,75.546 h0.6; Keep-Out Layer "CUTOUT" at 81.459,88.746 h0.6
S3: Keep-Out Layer "CUTOUT" at 63.195,62.082 h0.6; Keep-Out Layer "CUTOUT" at 63.195,75.282 h0.6
S4: Keep-Out Layer "CUTOUT" at 44.94,58.8 h0.6; Keep-Out Layer "CUTOUT" at 44.94,72 h0.6
S5: Keep-Out Layer "CUTOUT" at 63.189,43.819 h0.6; Keep-Out Layer "CUTOUT" at 63.189,57.019 h0.6
S6: Keep-Out Layer "CUTOUT" at 81.453,57.283 h0.6; Keep-Out Layer "CUTOUT" at 81.453,70.483 h0.6
S7: Keep-Out Layer "CUTOUT" at 81.448,39.02 h0.6; Keep-Out Layer "CUTOUT" at 81.448,52.22 h0.6
S8: Keep-Out Layer "CUTOUT" at 99.762,80.524 h0.6; Keep-Out Layer "CUTOUT" at 99.762,67.324 h0.6
S9: Keep-Out Layer "CUTOUT" at 99.756,49.061 h0.6; Keep-Out Layer "CUTOUT" at 99.756,62.261 h0.6
S10: Keep-Out Layer "CUTOUT" at 26.67,54.203 h0.6; Keep-Out Layer "CUTOUT" at 26.67,67.403 h0.6
S11: Keep-Out Layer "CUTOUT" at 44.93,40.537 h0.6; Keep-Out Layer "CUTOUT" at 44.93,53.737 h0.6
S12: Keep-Out Layer "CUTOUT" at 26.666,35.94 h0.6; Keep-Out Layer "CUTOUT" at 26.666,49.14 h0.6
S13: Keep-Out Layer "CUTOUT" at 8.42,101.361 h0.6; Keep-Out Layer "CUTOUT" at 8.42,88.161 h0.6
S14: Keep-Out Layer "CUTOUT" at 8.414,69.898 h0.6; Keep-Out Layer "CUTOUT" at 8.414,83.098 h0.6
S15: Keep-Out Layer "CUTOUT" at 8.409,51.635 h0.6; Keep-Out Layer "CUTOUT" at 8.409,64.835 h0.6
S16: Keep-Out Layer "CUTOUT" at 8.403,46.572 h0.6; Keep-Out Layer "CUTOUT" at 8.403,33.372 h0.6
S17: Keep-Out Layer "CUTOUT" at 99.766,30.796 h0.6; Keep-Out Layer "CUTOUT" at 99.766,43.996 h0.6
S18: Keep-Out Layer "CUTOUT" at 77.35,16.1 h0.6; Keep-Out Layer "CUTOUT" at 77.35,29.3 h0.6
S19: Keep-Out Layer "CUTOUT" at 95.948,10.426 h0.6 r347.2; Keep-Out Layer "CUTOUT" at 98.873,23.298 h0.6 r347.2
S20: Keep-Out Layer "CUTOUT" at 115.633,10.807 h0.6 r324.2; Keep-Out Layer "CUTOUT" at 123.355,21.513 h0.6 r324.2
S21: Keep-Out Layer "CUTOUT" at 81.485,93.808 h0.6; Keep-Out Layer "CUTOUT" at 81.485,107.008 h0.6
S22: Keep-Out Layer "CUTOUT" at 63.206,111.808 h0.6; Keep-Out Layer "CUTOUT" at 63.206,98.608 h0.6
S23: Keep-Out Layer "CUTOUT" at 44.951,108.526 h0.6; Keep-Out Layer "CUTOUT" at 44.951,95.326 h0.6
S24: Keep-Out Layer "CUTOUT" at 26.68,90.729 h0.6; Keep-Out Layer "CUTOUT" at 26.68,103.929 h0.6
S25: Keep-Out Layer "CUTOUT" at 26.68,72.466 h0.6; Keep-Out Layer "CUTOUT" at 26.68,85.666 h0.6
S26: Keep-Out Layer "CUTOUT" at 44.945,77.063 h0.6; Keep-Out Layer "CUTOUT" at 44.945,90.263 h0.6
S27: Keep-Out Layer "CUTOUT" at 99.755,85.587 h0.6; Keep-Out Layer "CUTOUT" at 99.755,98.787 h0.6